# Altium PCB 3-as-manufactured.PcbDoc (part 7 of 16) (continued)
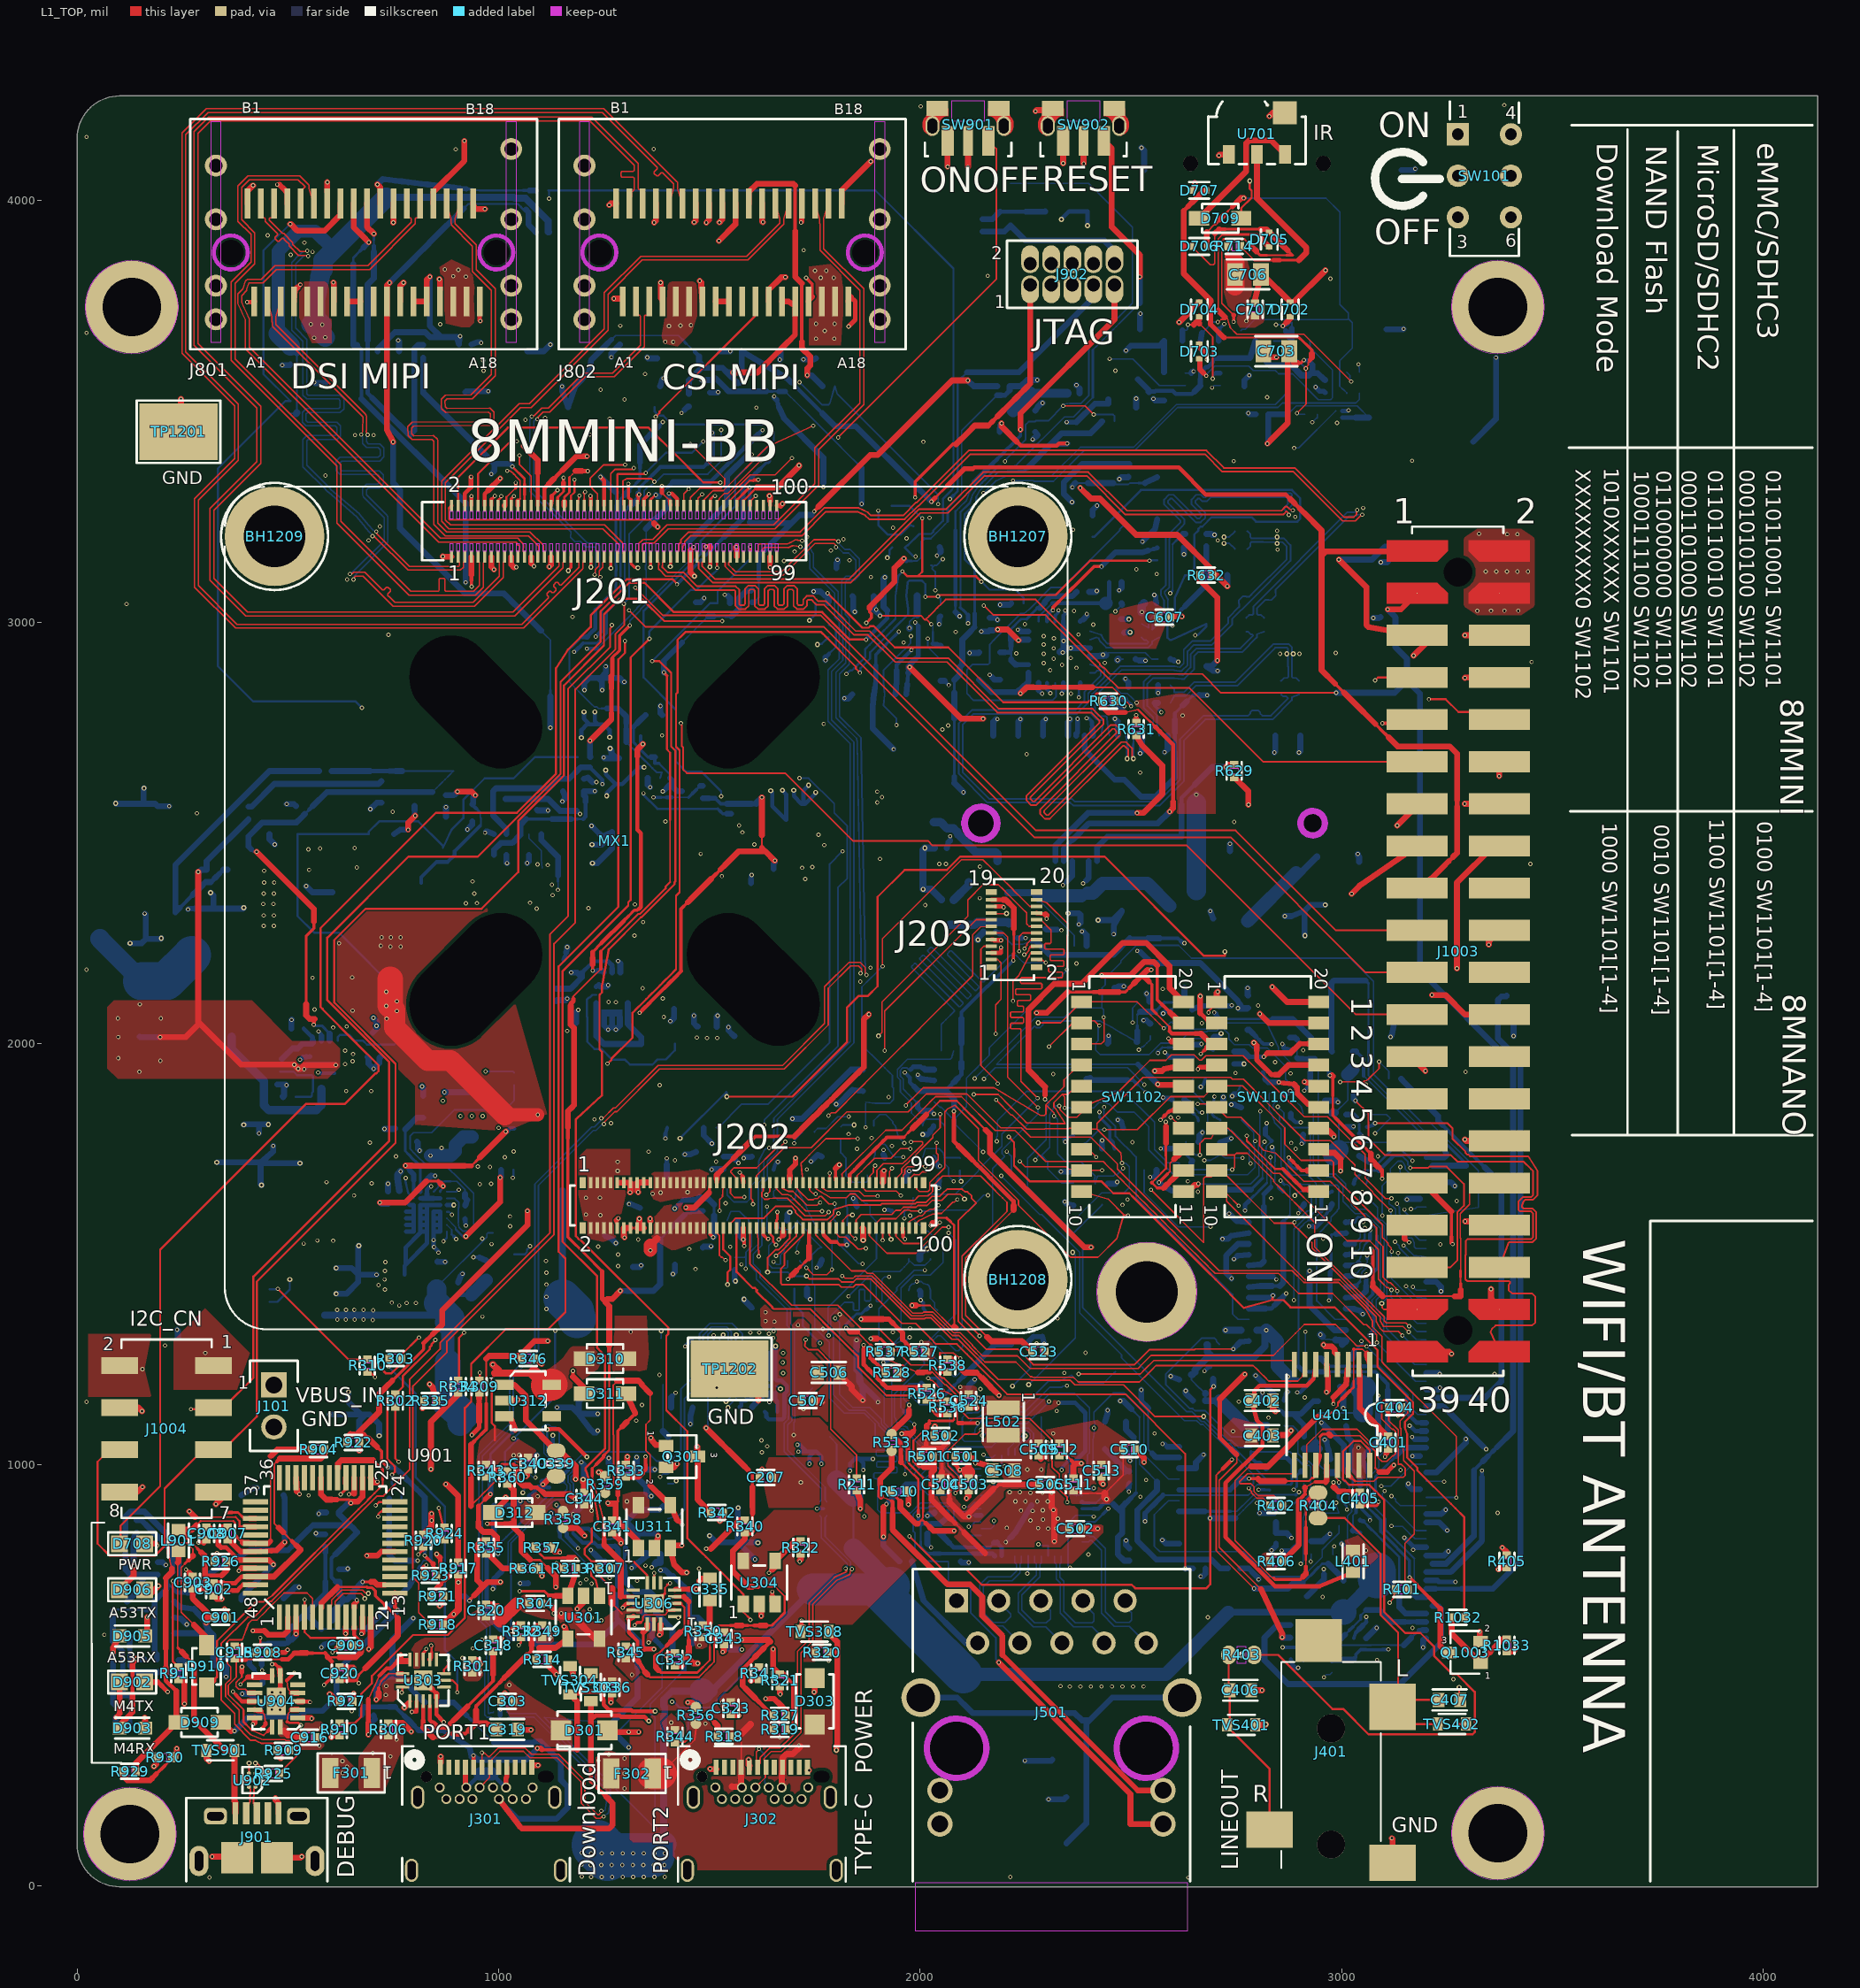
[diagram p0: L1_TOP view]
## Nets (pads, with @x,y where several pads share a name; then routed paths per layer and width w, separated by ;. In a path a pad name is that pad's centre, name@x,y a point inside that pad or via, vN(x,y) a via of type N, cw(c..) or ccw(c..) an arc to the next point about the centre after c; other vN are vias at no path point) (continued)
  L8_BOT w14.05: v1(2743,1275) 2759.08,1291.08 2759.08,1292.03 U201.1@2779.79,1294.08
IR_CAP: D709.A J202.42 | length 4930.6
  L1_TOP w5: J202.42@1532.76,1561.94 1532.76,1511.24 1549.5,1494.5 1549.5,1463.58 1543,1457.08 v2(1543,1428) ; v2(1541,1874) 1697,1874 1826,2003 1826,2085 1854,2113 1876,2113 1898.9,2135.9 1898.9,2347.9 1963.12,2412.12 2063.38,2412.12 2094.91,2443.64 2437.62,2443.64 2673.26,2208 2723,2208 v2(2723,2218) ; D709.A@2761.86,3958.26 2761.86,3982.88 2786.55,4007.57 2786.55,4024.09 2782.05,4028.59 v2(2782.05,4047)
  L3_INT w5: v2(1430,1775) 1430,1578.57 1465,1543.57 1465,1506 v2(1543,1428)
  L6_INT w5: v2(2723,2218) 2723,2347.01 2720.02,2349.99 2720.02,2550.02 2841,2671 3140,2671 3242,2773 3242,2915 3005,3152 3005,3437.65 2952.59,3490.06 2952.59,3562.16 2926.42,3588.33 2926.42,3930.58 2810,4047 v2(2782.05,4047)
  L8_BOT w5: v2(1430,1775) 1539.57,1884.57 1541,1883.14 v2(1541,1874)
JTAG_NTRST: J201.60 R923.2 R1108.1 SW1101.3 | length 4903.9
  L1_TOP w3.83: 2560.27,2071.05 2591.73,2039.59
  L1_TOP w5.87: 2486.72,2122.16 2496.85,2132.29 ; v1(2665.92,1975.46) 2673.75,1983.29
  L1_TOP w6.9: 2549.77,2125.5 2549.77,2081.55 2560.27,2071.05 ; 2591.73,2029.12 2591.73,2039.59
  L1_TOP w7.92: 822.58,756.63 v1(827.93,761.98) ; 1344.51,3292.01 1350.33,3297.83 v1@1356.15,3303.65 ; 2349.83,2122.16 2410.67,2122.16 ; 2471.51,2122.16 2486.72,2122.16 ; 2542.26,2147.66 2549.77,2140.15 2549.77,2125.5
  L1_TOP w8.94: J201.60@1344.5,3276.42 1344.51,3292.01 ; 2410.67,2122.16 2425.88,2122.16 ; 2591.74,2029.11 2597.16,2023.69 2610.85,2023.69 ; 2673.75,1983.29 SW1101.3@2681.58,1991.12
  L1_TOP w9.96: v1@1356.15,3303.65 v1(1356.15,3303.88) ; 2496.85,2132.29 2506.98,2142.42 ; 2610.85,2023.69 2651.93,2023.69
  L1_TOP w10.99: 2539.07,2174.51 v1(2548.07,2174.51) ; 2651.93,2023.69 2665.63,2023.69
  L1_TOP w14.05: R923.2@822.58,737.56 822.58,756.63 ; v1(2276.32,2072.84) 2276.39,2072.76 2300.43,2072.76 2349.83,2122.16 ; 2425.88,2122.16 2471.51,2122.16 ; 2506.98,2142.42 2517.11,2152.55 2527.24,2162.68 ; 2539.07,2174.51 2527.24,2162.68 ; 2542.26,2147.66 2527.24,2162.68 ; 2665.63,2023.69 2687.26,2002.05 SW1101.3@2703.63,1998.79 2692.56,1991.12 SW1101.3@2681.58,1991.12
  L3_INT w5: v1(1356.15,3303.88) 1356.15,3264.14 1367.16,3253.13 1378.18,3242.12 1400.21,3220.09 1411.22,3209.07 1422.24,3198.06 1444.26,3176.03 1455.28,3165.02 1466.29,3154 1488.5,3131.79 1488.5,3125.82 1495.82,3118.5 1501.79,3118.5 1532.38,3087.92 1543.39,3076.9 1554.41,3065.89 1576.43,3043.86 1587.45,3032.85 1598.46,3021.83 1609.48,3010.82 1620.49,2999.8 1631.51,2988.79 1764.51,2988.79 1852.21,2901.08 2005.7,2747.6 2016.66,2736.64 2027.62,2725.68 2115.33,2637.97 2148.21,2605.08 2202.54,2605.08 2213.68,2593.94 2291.7,2515.92 2302.85,2504.77 2336.29,2471.33 2347.43,2460.19 2425.45,2382.17 2436.6,2371.02 2470.03,2337.58 2481.18,2326.44 2548.06,2259.56 v1(2548.07,2174.51)
  L3_INT w7.92: v1(2665.92,1975.46) 2676.61,1964.77 2687.3,1954.08 2697.99,1943.39 2697.99,1929.26
  L3_INT w14.05: v1(2698,1874) 2697.99,1929.26
  L6_INT w5: v1(827.93,761.98) 890.62,761.98 1003.98,875.34 1003.98,1066.92 1378.59,1441.54 1525.27,1441.54 1590.24,1506.5 1625.68,1506.5 1652.82,1533.64 1652.82,1544.37 1702.79,1594.34 1702.79,1632.12 1700.27,1634.64 1700.27,1672.42 1707.12,1684.96 1713.98,1697.5 1727.69,1722.58 1734.54,1735.12 1734.54,1869.22 1977.82,2112.5 2236.65,2112.5 v1(2276.32,2072.84)
  L8_BOT w3.83: 2697.68,1826.41 R1108.1@2703.18,1823.34
  L8_BOT w5.87: 2694.49,1829.6 2692.92,1831.17 2692.92,1860.72 2697.21,1865.01 2697.21,1873.21 v1(2698,1874) ; R1108.1@2703.18,1823.34 R1108.1@2711.86,1818.5
  L8_BOT w6.9: 2694.49,1829.6 2697.68,1826.41
JTAG_TCK: J201.62 J902.4 | length 1269.1
  L1_TOP w5.87: J201.62@1360.24,3289.07 1360.24,3291.09 1363.21,3294.06 1363.94,3294.06 1371.88,3302 v1(1373,3302)
  L1_TOP w7.92: J201.62@1360.24,3276.42 J201.62@1360.24,3289.07
  L3_INT w5: v1(1625.84,3455.45) 1670.1,3499.72 1680.75,3510.36 1691.4,3521.01 1702.05,3531.66 1821.66,3531.66 2194.67,3904.67 2306.96,3904.67 2310.96,3900.67 J902.4@2310.96,3861.16
  L8_BOT w3.83: 1391.16,3310.16 1402.12,3321.12
  L8_BOT w5.87: v1(1373,3302) 1383,3302 1391.16,3310.16
  L8_BOT w9.96: 1402.12,3321.12 1413.08,3332.08 ; 1501.19,3332.08 1542.31,3373.2 1552.59,3383.49 1562.88,3393.77 1583.44,3414.33 ; 1614.28,3445.17 1624.56,3455.45 v1(1625.84,3455.45)
  L8_BOT w12.01: 1583.44,3414.33 1593.72,3424.61
  L8_BOT w14.05: v1(1373,3302) 1375.8,3299.2 1380.2,3299.2 ; 1413.08,3332.08 1501.19,3332.08 ; 1593.72,3424.61 1604,3434.89 1614.28,3445.17
JTAG_TDI: J201.54 J902.8 R918.2 | length 4464.4
  L1_TOP w4: R918.2@839.18,621.35 839.18,622.35 832.18,629.35 830.21,629.35 810,649.56 810,719.84 796.23,733.6 796.23,1187.23 877,1268 877,1293 1131,1547 1131,2237 1181.57,2287.57 1181.57,2840.68 1276.98,2936.1 1276.98,2972.46 1297.44,2992.91 1297.44,3042.71 v1(1296.44,3043.71) ; J201.54@1297.25,3276.42 1294.71,3278.98 1294.71,3335.88 1304.61,3340.83 1361.77,3340.83 v1(1369.26,3333.34)
  L6_INT w4: v1(1527.85,3456.27) 1606.39,3456.27 1614.17,3464.05 1621.95,3471.83 1710.01,3471.83 1754.51,3516.34 1765.64,3527.46 2066.03,3827.86 2077.16,3838.99 2143.92,3905.74 2386.83,3905.74 2410.96,3881.61 J902.8@2410.96,3861.16
  L8_BOT w4: v1(1296.44,3043.71) 1296.44,3043.79 1308.97,3056.32 1308.97,3193.33 1308.97,3208.55 1344.88,3244.47 1344.89,3311.91 1355.21,3322.23 1362.64,3326.34 1370.67,3330.79 v1@1372.23,3331.65 ; v1(1369.26,3333.34) 1370.95,3331.65 v1@1372.23,3331.65 ; v1(1527.85,3456.27) 1527.85,3441.65 1527.85,3383.19 1496.07,3351.42 1391.99,3351.42 v1@1372.23,3331.66
JTAG_TDO: J201.52 J902.6 | length 1636.8
  L1_TOP w5: J201.52@1281.5,3276.42 1281.5,3336.16 1281.5,3351.09 ; 1281.51,3351.11 1282.93,3351.99 1346.25,3351.99 v1(1348.66,3354.4)
  L3_INT w5: v1(1485,3429) 1498.55,3429 1500,3430.45 1577.83,3430.45 1598.72,3451.35 1609.17,3461.8 1619.62,3472.24 1640.51,3493.14 1650.96,3503.59 1661.41,3514.03 1671.86,3524.48 1692.75,3545.38 1813.38,3545.38 2331.58,4063.58 2335.72,4063.58 2360.96,4038.33 J902.6@2360.96,3861.16
  L8_BOT w5: v1(1348.66,3354.4) 1396.38,3402.12 1458.12,3402.12 v1(1485,3429)
JTAG_TMS: J201.58 J902.2 R917.2 | length 4027.7
  L1_TOP w7.92: J201.58@1328.75,3276.42 1330.76,3290.43 v1@1330.76,3300.4
  L1_TOP w10.99: v1@1330.76,3300.4 v1(1332.99,3302.63)
  L1_TOP w14.05: v1(874,954) 875.83,954 903.7,926.13 R917.2@903.71,768.92
  L6_INT w3.5: v1(1506.23,3449.44) 1507.07,3448.6 1520.32,3448.6 1524.22,3444.7 1709.5,3444.7 1731.65,3466.85 1742.6,3477.8 1753.56,3488.76 1764.51,3499.71 1775.46,3510.66 1786.42,3521.62 1797.37,3532.57 1808.32,3543.52 1819.27,3554.48 1841.18,3576.38 1852.13,3587.33 1863.09,3598.29 1884.99,3620.19 1895.95,3631.15 1906.9,3642.1 1917.85,3653.05 1928.81,3664.01 1939.76,3674.96 1950.71,3685.91 1961.66,3696.87 1972.62,3707.82 1983.57,3718.77 1994.52,3729.72 2005.48,3740.68 2016.43,3751.63 2027.38,3762.58 2038.34,3773.54 2049.29,3784.49 2060.24,3795.44 2071.2,3806.4 2093.1,3828.3 2104.05,3839.26 2115.01,3850.21 2125.96,3861.16
  L6_INT w5.87: 1042.25,1202.63 1042.25,1280.51 1042.25,1311.66 ; 1042.25,1342.81 1007,1378.06 1007,1619.06 1138.53,1750.58 1138.53,1765.88 ; 1138.53,2025.94 1138.53,2041.24
  L6_INT w6.9: 1042.25,1327.23 1042.25,1342.81 ; 1138.53,2010.65 1138.53,2025.94
  L6_INT w7.92: 1042.25,1311.66 1042.25,1327.23
  L6_INT w8.94: 875.18,1035.55 897.46,1057.82 908.6,1068.96 919.74,1080.1 930.88,1091.24 953.15,1113.52 964.29,1124.65 975.43,1135.79 986.57,1146.93 1008.84,1169.21 1019.98,1180.35 1031.12,1191.48 1042.26,1202.62 ; 1148.33,2234.62 1158.13,2244.42
  L6_INT w10.99: 1138.53,2224.81 1148.33,2234.62
  L6_INT w14.05: v1(874,954) 874,1034.36 875.18,1035.54 ; 1138.53,1765.88 1138.53,1918.86 1138.53,2010.65 ; 1138.53,2041.24 1138.53,2133.03 1138.53,2224.81 ; 1158.13,2244.43 1158.13,2553.08 1172.78,2567.73 1172.78,2924.03 v1(1178.47,2929.73) ; 2125.96,3861.16 J902.2@2260.96,3861.16
  L8_BOT w4.85: 1232.29,2949.91 1255.82,2973.44 ; 1277.33,3045.52 1298.84,3067.02 1298.84,3156.97 1298.84,3201.94 1298.84,3261.9 1309.79,3272.85
  L8_BOT w5.87: 1200.19,2949.91 1232.29,2949.91 ; 1255.82,2973.44 1255.82,2998.72 ; 1255.82,3011.36 1255.82,3024.01 1277.33,3045.52 ; 1333.46,3307.69 1333.46,3318.43
  L8_BOT w6.9: 1255.82,2998.72 1255.82,3011.36
  L8_BOT w7.92: v1(1178.47,2929.73) v1@1180,2929.73 ; v1@1330.15,3305.98 1331.06,3306.44 1333.44,3307.65 ; v1(1332.99,3302.63) 1333.44,3303.08 1333.44,3307.65 ; 1333.46,3307.69 1333.44,3307.65 ; 1333.46,3318.43 1343.42,3328.38 1353.37,3338.34 1363.32,3348.29
  L8_BOT w8.94: 1190.09,2939.82 1200.19,2949.91 ; 1363.32,3348.29 1383.23,3368.19 1485.5,3368.19 1495.8,3378.49
  L8_BOT w9.96: v1@1180,2929.73 1190.09,2939.82
  L8_BOT w12.01: 1320.74,3283.8 1331.69,3294.75 1331.58,3295.17 1330.63,3302.32 v1@1330.15,3305.98
  L8_BOT w14.05: 1309.79,3272.85 1320.74,3283.8 ; 1495.8,3378.49 1506.1,3388.79 1506.1,3447.9 1506.23,3448.04 v1(1506.23,3449.44)
LD1_I2C_SCL: R305.2 U302.B1 | length 1429.5
  L6_INT w5: v1(807.23,772.54) 808.16,771.61 808.16,764.03 822.74,749.45 974.71,749.45 1035,809.74 1035,929.68 1053.97,948.65 1056.53,948.65 1075.5,967.62 1075.5,974.62 1193.38,1092.5 1374.54,1092.5 1510,1227.96 v1(1510,1307.67)
  L8_BOT w4: v1(1510,1307.67) 1510,1246.55 1569.01,1187.53 U302.B1@1577.64,1187.5
  L8_BOT w8.94: v1@807.07,772.71 v1(807.23,772.54)
  L8_BOT w9.96: 793.58,772.71 v1@807.07,772.71
  L8_BOT w14.05: R305.2@739.65,920.18 739.65,786.19 753.13,772.71 793.58,772.71
LD1_I2C_SDA: R308.2 U302.C1 | length 881.8
  L6_INT w4: v2(1057,934) 1057.98,933.02 1057.98,922.8 1062.22,918.56 1062.22,912.44 1072.66,902 1095,902 1183.45,990.45 1196,990.45 1204.79,999.24 1263.24,999.24 1294.59,1030.59 1351.59,1030.59 1505,1184 1505,1189.97 1513.03,1198 1519,1198 1532.5,1211.5 v2(1532.5,1308.5)
  L8_BOT w4: v2(1057,934) 1057,936.16 1060.76,939.93 1060.76,946.38 R308.2@1067.76,953.38 ; v2(1532.5,1308.5) 1524,1300 1524,1256.9 U302.C1@1577.64,1203.25
LD1_NINT: R340.2 R345.2 U302.D1 | length 1510.4
  L1_TOP w3.5: 1655.98,710.57 1667.12,699.42 1678.27,688.28
  L1_TOP w3.83: R345.2@1309.65,569.7 1317.11,557.39 ; 1474.28,495.81 1492.46,513.99 ; 1501.56,523.09 1510.65,532.18 1510.65,608.17 ; 1615.11,710.57 1655.98,710.57
  L1_TOP w4.85: 1317.11,557.39 1324.58,545.08 ; 1492.46,513.99 1501.56,523.09 ; 1510.65,608.17 1521.22,618.74 1549.37,618.74 ; 1591.6,618.74 1605.67,618.74
  L1_TOP w5.87: 1353.14,501.96 1359.3,495.81 1474.28,495.81 ; 1633.82,618.74 1647.9,618.74 1658.02,628.86 1678.27,649.1 1678.27,688.28
  L1_TOP w6.9: 1577.52,618.74 1591.6,618.74 ; 1591.07,988.43 1601.97,977.53 1601.97,946.75 ; 1601.97,854.39 1601.97,885.18
  L1_TOP w7.92: 1549.37,618.74 1563.44,618.74
  L1_TOP w9.96: 1332.05,532.76 1339.51,520.45 1346.98,508.14 ; 1601.97,845.03 1601.97,854.39 ; 1605.67,618.74 1619.75,618.74
  L1_TOP w10.99: 1601.48,710.57 1615.11,710.57
  L1_TOP w13.03: 1601.97,885.18 1601.97,900.57
  L1_TOP w14.05: R345.2@1301.83,569.7 R345.2@1309.65,569.7 ; 1324.58,545.08 1332.05,532.76 ; 1346.99,508.12 1353.14,501.96 ; v1(1491.7,1087.8) 1514.79,1064.71 1525.69,1053.82 1536.58,1042.92 1547.48,1032.02 1558.38,1021.12 1569.28,1010.23 1580.18,999.33 1591.07,988.43 ; 1563.44,618.74 1577.52,618.74 ; 1601.48,710.57 1592.53,710.57 1555.56,747.54 1555.56,796 1583.82,824.26 R340.2@1583.84,839.01 1595.94,839 1601.97,845.03 ; 1601.97,900.57 1601.97,946.75 ; 1619.75,618.74 1633.82,618.74
  L8_BOT w4: v1(1491.7,1087.8) 1491.7,1088.34 1496.51,1093.14 1496.51,1309.73 1507.27,1320.5 1537.47,1320.5 1544.5,1313.47 1544.5,1252.15 U302.D1@1577.64,1219
LD2_I2C_SCL: R311.2 U305.B1 | length 756.6
  L8_BOT w4: U305.B1@876.72,1632.34 895.53,1632.34 905.29,1622.57 905.29,1611.32 903.61,1609.64 903.61,1575.46 905.61,1563.26 913.95,1554.92 927.86,1554.92 940.17,1567.23 940.17,1644.47 896.93,1687.71 886.12,1698.52 875.31,1709.33 829.75,1709.33 799.67,1739.4 789.65,1749.43 789.65,1780.63 797.33,1788.3 840.43,1788.3 894.25,1842.13 1013.6,1842.13 1036.41,1864.94 R311.2@1036.41,1901.51
LD2_I2C_SDA: R312.2 U305.C1 | length 563.3
  L6_INT w5: v2(504,1440) 671,1440 847.59,1616.59 v2(893.29,1616.59)
  L8_BOT w5: R312.2@455.82,1386.86 474.86,1386.86 504,1416 v2(504,1440)
  L8_BOT w10: U305.C1@876.72,1616.59 v2(893.29,1616.59)
LD2_NINT: R341.2 R344.2 U305.D1 | length 1803.2
  L1_TOP w5: R344.2@1417.95,340.96 1421.64,342.07 1440.87,342.07 v1(1449.81,351) ; v1(1597.61,513.85) 1600.24,513.85 1606.29,519.9 R341.2@1617.01,519.9
  L3_INT w5: v1(888.75,1593.56) 888.75,1574.33 899.52,1563.57 910.28,1552.8 910.29,1479.9 1007.58,1382.61 1007.58,1233.62 1076.99,1164.21 1088.04,1153.16 1099.08,1142.12 1154.3,1086.9 1165.34,1075.86 1176.38,1064.82 1187.43,1053.77 1198.47,1042.73 1209.51,1031.69 1209.96,1031.24 1214.2,1031.24 1230.72,1014.72 1243.26,1014.72 1403.5,854.47 1403.5,837.7 1408.29,832.91 1408.29,805.88 1422.5,791.67 1422.5,740.21 1432.87,729.84 1432.87,693.93 1412.01,673.07 1412.01,630.37 1423.5,618.87 1423.5,603.35 1433.45,593.4 1433.45,565.59 1435.5,563.53 1435.5,514.65 1423.5,502.65 1423.5,450.34 v1(1410.97,437.8)
  L8_BOT w5: U305.D1@876.72,1600.84 877.03,1600.54 881.77,1600.54 v1(888.75,1593.56) ; v1(1410.97,437.8) 1415.38,437.8 1429.27,423.91 ; v1(1449.81,351) 1449.81,403.37 1429.27,423.91 ; v1(1597.61,513.85) 1589.66,513.85 1499.73,423.91 1429.27,423.91
LED_ACT: C514.1 R510.1 R519.1 R520.1 U501.23 | length 1313.3
  L1_TOP w3.5: 2004.44,870.42 2004.58,871.37 2004.58,872.88 2006.25,874.55 2006.25,883.45 2006.49,883.7 2006.53,884.96 2006.98,888.1
  L1_TOP w4.85: 1973.81,1002.3 2006.98,969.13 ; 2004.44,870.42 2013.46,861.41 ; 2006.98,888.1 2006.98,901.61
  L1_TOP w5.87: R510.1@1936.25,929.33 1943.7,921.86 ; 1970.81,1012.62 1973.81,1002.3 ; v1(1986,1096) 1986.62,1095.38 1986.62,1082.37 ; 1994.18,860.16 2004.44,870.42 ; 2006.98,901.61 2006.98,969.13
  L1_TOP w6.9: 1943.7,921.86 1952.72,912.82
  L1_TOP w7.92: 1982.39,1078.14 1986.62,1082.37
  L1_TOP w9.96: 1970.81,1012.62 1970.81,1066.56
  L1_TOP w10.99: R510.1@1928.79,936.78 R510.1@1936.25,929.33 ; 2013.46,861.41 2022.47,852.39
  L1_TOP w13.03: v1(1955.85,1073.86) 1966.98,1073.86
  L1_TOP w14.05: 1952.72,912.82 1952.72,897.37 1989.94,860.15 1994.17,860.15 ; 1966.98,1073.86 1978.11,1073.86 ; 1970.81,1066.56 1978.11,1073.86 ; 1982.39,1078.14 1978.11,1073.86 ; 2022.47,852.39 2031.48,843.38 v1(2080.6,843.38)
  L3_INT w5: v1(1762.27,1288.88) 1875.07,1176.08 1875.07,1154.63 v1(1955.85,1073.86)
  L8_BOT w3.5: 1959.3,1130.64 1953.95,1135.99 1953.95,1173.75 1972.75,1192.55 2002.83,1192.55 ; 1966.53,1115.46 1969.2,1104.85 1976.57,1103.57 v1(1986,1096)
  L8_BOT w3.83: 1959.3,1130.64 1963.86,1126.08
  L8_BOT w4.85: 2164.26,804.18 2174.92,814.83
  L8_BOT w5: R520.1@1701.79,1418.22 1701.79,1379.44 1721.67,1359.56 1721.67,1329.49 1747.15,1304 1754.71,1296.44 v1(1762.27,1288.88)
  L8_BOT w6.9: 1963.87,1126.06 1966.53,1115.46
  L8_BOT w7.92: 2069.48,843.38 v1(2080.6,843.38)
  L8_BOT w8.94: 2107.74,804.18 2164.26,804.18
  L8_BOT w9.96: 2182.38,815.53 2193.17,804.74 2193.17,794.43 U501.23@2193.18,784.12
  L8_BOT w10.99: 2068.48,815.17 2079.48,804.18 2107.74,804.18
  L8_BOT w14.05: 2002.83,1192.55 R519.1@2010.6,1184.79 ; C514.1@2046.49,837.17 2057.49,826.17 2068.48,815.17 ; C514.1@2046.49,837.17 2063.24,843.38 2069.48,843.38 ; 2174.92,814.83 2182.38,815.53
LED_LINK10_100: C516.1 J501.14 U501.26 | length 1299.7
  L1_TOP w14.05: v1(2186.52,531.36) 2498.99,218.88 2498.99,147.52 J501.14@2576.22,147.52
  L8_BOT w4: U501.26@2144.46,832.84 2108.87,832.83 2093.58,848.13 2086.88,861.48 2080.19,874.83 2080.19,895.93 2074.15,901.97 2022.49,901.97 2017.62,897.11 1997.83,897.11 1993.62,892.9 1983.72,883 1983.72,842.12 1987.9,837.94 1987.9,824.2 1987.9,796.73 2013.3,771.33 2039.73,771.33 2040.31,770.75 C516.1@2066.73,770.76 2066.73,713.28 2069.08,710.94 2116.25,710.94 2119.76,707.43 2119.76,649.26 2179.34,589.69 2179.34,538.54 v1(2186.52,531.36)
LED_LINK1000: C515.1 R513.1 R525.1 U501.24 | length 1002.5
  L1_TOP w4.85: 1954.18,1006.86 1985.11,975.93
  L1_TOP w5.87: 1941.08,1064.09 1947.63,1057.55 ; 1985.11,975.93 1995.42,965.62 1995.42,893.38
  L1_TOP w6.9: 1995.42,893.38 1995.42,879.07 v1(1995.5,879)
  L1_TOP w8.94: 1973.62,1130.22 v1(1973.62,1142.19)
  L1_TOP w9.96: R513.1@1932.2,1072.99 1941.08,1064.09 ; 1954.17,1021.59 1954.17,1051
  L1_TOP w10.99: 1947.63,1057.55 1954.17,1051
  L1_TOP w12.01: 1954.17,1006.88 1954.17,1021.59
  L1_TOP w14.05: R513.1@1932.2,1072.99 1932.19,1076.82 1973.62,1118.26 1973.62,1130.22
  L8_BOT w3.5: v1(1973.62,1142.19) 1973.62,1143.25 1960.45,1156.42 1960.45,1171.06 1971.34,1181.95 1990.76,1181.95 1991.13,1181.58
  L8_BOT w4.85: 2001.1,818.9 2001.1,860.35
  L8_BOT w5.87: 2001.1,805.09 2001.1,818.9
  L8_BOT w6.9: 1999.06,1167.74 2000.67,1169.35 2044.64,1169.35 2046.48,1167.52 2059.88,1167.52 ; 2081.05,1188.68 2091.63,1199.26
  L8_BOT w7.92: 2001.1,805.09 2009.08,797.11 2017.06,789.13 2032.25,789.13 ; 2047.44,789.13 2123.37,789.13
  L8_BOT w8.94: v1(1995.5,879) 1995.7,878.8 1995.7,865.75 2000.92,860.53 ; 2059.88,1167.52 2070.47,1178.1
  L8_BOT w9.96: 2014.16,860.53 2027.4,860.53 ; 2070.47,1178.1 2081.05,1188.68 ; 2123.37,789.13 2171.39,789.13 ; U501.24@2176.91,783.61 U501.24@2177.44,784.12
  L8_BOT w10.99: 2000.92,860.53 2014.16,860.53 ; 2032.25,789.13 2047.44,789.13 ; 2091.63,1199.26 2102.21,1209.84
  L8_BOT w12.01: 1991.13,1181.58 1999.06,1173.65 1999.06,1167.74 ; 2171.39,789.13 U501.24@2176.91,783.61
  L8_BOT w14.05: 2000.92,860.53 2001.1,860.35 ; 2027.4,860.53 2043.96,860.53 2048.79,860.55 2063.09,874.84 C515.1@2063.09,886.97 ; 2102.21,1209.84 2177.76,1285.39 R525.1@2216.03,1285.41
LINE_OUTL: C407.1 J401.2 R404.2 TVS402.2 | length 791.4
  L1_TOP w5: R404.2@2944.1,873.58 3007.42,873.58 3092.55,788.45 3092.55,643.36 3134,601.91 J401.2@3134,439.1 ; TVS402.2@3228.54,385 3161.44,385 J401.2@3120.67,425.77 J401.2@3134,439.1 ; C407.1@3230.41,442 3136.9,442 J401.2@3134,439.1
LINE_OUTR: C406.2 J401.3 R403.2 TVS401.2 | length 459.7
  L1_TOP w5: R403.2@2732,549 2732,467.41 C406.2@2734.41,465 2734.41,388.87 TVS401.2@2728.54,383 2728.54,379 2829.33,278.21 J401.3@2829.33,134.43
LINEVDD: C402.1 L401.1 U401.6 | length 938.1
  L1_TOP w10: C402.1@2785.8,1152.6 2799.01,1105.9 2811.98,1092.93 2811.98,1044.1 2724.49,956.61 2724.49,828.89 2841.57,711.8 2948.49,711.8 L401.1@3027.04,745.17 ; C402.1@2785.8,1152.6 2792.77,1159.56 2792.77,1175.43 2805.34,1188 2917.61,1188 2932.89,1203.28 U401.6@2938.86,1238.52
"LINK / ACTIVE": J501.13 R513.2 | length 1167.7
  L1_TOP w3.5: 1907.43,924.23 1918.75,919.78 1932.28,914.46
  L1_TOP w8.94: 1932.28,914.46 1934.36,912.37 1934.36,897.12
  L1_TOP w10.99: 1905.23,938.59 1905.23,952.08
  L1_TOP w12.01: 1934.36,881.86 1934.36,897.12 ; 2195.08,548.7 2516.33,227.44
  L1_TOP w13.03: 1905.23,926.44 1905.23,938.59 ; 1905.23,952.08 1905.23,965.57 ; 2117.8,716.37 2127.58,706.59
  L1_TOP w14.05: 1905.23,926.44 1907.43,924.23 ; 1905.23,965.57 1932.2,992.54 R513.2@1932.2,1032.99 ; 1934.36,881.86 1934.36,846.37 2064.37,716.37 2117.8,716.37 ; 2127.58,706.59 2147.13,687.04 2147.13,641.84 2195.08,593.89 2195.08,548.7 ; 2516.34,227.44 J501.13@2576.22,227.44
LINKACT: J501.11 R510.2 | length 781.7
  L1_TOP w14.05: R510.2@1968.79,936.78 1972.06,933.53 v1(1972.06,906.17)
  L3_INT w14.05: v1(1972.06,906.17) 1972.06,857.98 1992.1,837.93 1992.1,519.87 1943.67,471.43 1943.67,330.46 J501.11@2046.69,227.44
M2_I2C_SCL: J601.60 R631.1 | length 503.4
  L1_TOP w14.05: R631.1@2512.8,2731.59 2526.73,2707.19 2574.31,2659.62 2574.31,2592.38 2529.14,2547.22 v1(2514.81,2547.22)
  L8_BOT w8.94: 2505.66,2547.22 v1(2514.81,2547.22)
  L8_BOT w14.05: J601.60@2321.09,2433.28 2321.08,2470.34 2397.96,2547.22 2505.66,2547.22
M2_I2C_SDA: J601.58 R630.1 | length 701.1
  L1_TOP w3.83: 2486.04,2785.58 2501.38,2789.08 2516.71,2792.59
  L1_TOP w4.85: 2516.71,2792.59 2527.11,2782.19
  L1_TOP w5.87: 2527.11,2782.19 2558.31,2750.98
  L1_TOP w9.96: 2568.71,2740.58 2599.92,2709.38 2599.92,2679.18 2599.92,2573.46
  L1_TOP w10.99: 2448.21,2785.58 2473.43,2785.58 ; 2558.31,2750.98 2568.71,2740.58
  L1_TOP w12.01: 2473.43,2785.58 2486.04,2785.58
  L1_TOP w14.05: R630.1@2431.67,2812.76 2431.67,2800.64 2446.73,2785.58 2448.21,2785.58 ; v1(2591.87,2550.3) 2599.92,2558.35 2599.92,2573.46
  L8_BOT w8.94: J601.58@2340.77,2462.68 2351.4,2473.31
  L8_BOT w10.99: 2351.4,2473.31 2362.03,2483.94
  L8_BOT w14.05: J601.58@2340.77,2433.29 J601.58@2340.77,2462.68 ; 2362.03,2483.94 2400.52,2522.43 2564,2522.43 v1(2591.87,2550.3)
M2_PCM_CLK: J601.8
M2_PCM_IN: J601.12
M2_PCM_OUT: J601.14
M2_PCM_SYNC: J601.10
M2_SD_CLK: J601.9
M2_SD_CMD: J601.11
M2_SD_DAT0: J601.13
M2_SD_DAT1: J601.15
M2_SD_DAT2: J601.17
M2_SD_DAT3: J601.19
M2_SD_NRST: J601.23
M2_SD_WAKE: J601.21
M2_UART_CTS: J601.36
M2_UART_RTS: J601.34
M2_UART_RXD: J601.22
M2_UART_TXD: J601.32
M2_USB_DN: J601.5
M2_USB_DP: J601.3
MDC: R511.2 R537.2 U501.1 | length 845.9
  L1_TOP w3.5: 1904.04,1258.17 1953.09,1237.04 1954.48,1236.76 1959.17,1236.76 1962.79,1233.14 1963.88,1232.4 1994.29,1219.3 ; 2022.73,1220.25 2028.63,1220.25 2058.94,1189.94 2061.46,1189.94 2087.93,1163.47 2087.93,1101.32 2090.1,1099.15
  L1_TOP w7.92: 2101.42,1099.13 2136.04,1099.13 v1(2136.12,1099.05)
  L1_TOP w9.96: R537.2@1900.85,1268.81 1904.04,1258.17 ; 2090.11,1099.13 2101.42,1099.13
  L1_TOP w10.99: 2008.16,1219.3 2009.12,1220.25 2022.73,1220.25
  L1_TOP w14.05: 1994.29,1219.3 2008.16,1219.3
  L8_BOT w3.5: R511.2@2114.69,1071.44 2122.87,1073.89 2129.94,1076.01 2130.02,1076.09 2130.02,1083.69 2133.41,1089.58 2134.87,1091.04 2134.87,1097.81 v1(2136.12,1099.05) ; 2134.99,1090.9 2138.37,1093.74 2140.06,1097 2140.09,1097.06 2141.99,1100.71 2146.02,1105.92 2151.22,1111.12 2248.54,1111.12 2306.97,1169.55 2367.28,1169.55 2401.49,1135.34 2401.49,1028.37 2396.89,1023.77 2396.89,992.4 2395.79,991.3 U501.1@2391.23,991.3
MDIO: R512.2 R538.2 U501.48 | length 600.7
  L1_TOP w10.99: R538.2@2074.88,1250.37 2095.97,1229.28 ; 2133.99,1218.74 2144.77,1207.95
  L1_TOP w13.03: 2176.6,1175.12 v1(2187.1,1164.62)
  L1_TOP w14.05: R538.2@2064.91,1250.37 R538.2@2074.88,1250.37 ; 2095.97,1229.28 2106.51,1218.74 2133.99,1218.74 ; 2144.77,1207.95 2166.33,1186.4 2166.33,1185.4 2176.6,1175.12
  L6_INT w4.2: v1(2146.66,1069.58) 2146.66,1053.14 2154.56,1045.24 2160.61,1045.24 2171.23,1034.62 2181.86,1024 ; v1(2187.1,1164.62) 2188.11,1163.61 2188.11,1030.25 2181.86,1024 ; v1(2335.66,987.84) 2335.08,987.84 2328.02,994.89 2305.48,994.89 2288.55,1011.82 2194.03,1011.82 2187.94,1017.91 2181.86,1024
  L8_BOT w3.5: v1(2146.66,1069.58) 2147.9,1070.82 2151.89,1070.82 2162.41,1081.34 R512.2@2166.38,1081.34
  L8_BOT w7.92: v1(2335.66,987.84) 2336.05,988.24 2336.05,993.7 2350.63,1008.27 U501.48@2350.66,1023.3
NetC102_1: C102.1 R102.2 | length 340.3
  L8_BOT w14.05: C102.1@406.05,2561.89 413.15,2561.89 467.4,2616.14 714.82,2616.14 R102.2@721.23,2622.52
NetC113_1: C113.1 C161.1 D101.C R101.2 R138.1 R140.2 U101.12 | length 1632.9
  L8_BOT w5: U101.12@618.18,2006.56 618.18,2015.56 623.18,2020.56 644.66,2020.56 658.72,2006.5 677.99,2006.5 C113.1@687.06,1997.44 ; C113.1@688.06,1997.44 C113.1@687.06,1997.44 ; R101.2@867.35,2464.12 867.34,2469.13 809.19,2527.28 716.19,2527.28 691.24,2502.33 R138.1@691.23,2497.33 522.62,2497.33 522.44,2497.15 522.44,2302.5 561.78,2263.15 620.32,2263.15 769.5,2113.97 769.5,2015.31 751.23,1997.03 C161.1@719.34,1997.03 687.46,1997.03 C113.1@687.06,1997.44 ; R101.2@867.35,2464.12 869.28,2468.22 887.38,2506.69 915.88,2535.19 915.88,2578.35 966.68,2629.15 1035.36,2629.15 1086.17,2679.96 R140.2@1187.54,2679.94
NetC117_1: C117.1 R113.2 R114.2 R115.1 U102.5 | length 1404.2
  L6_INT w4.85: 1174.34,2217.55 1174.34,2233.09 ; 1174.34,2341.86 1174.34,2372.94 ; 1174.34,2543.88 1185.28,2554.82 1195.31,2564.84
  L6_INT w5.87: 1174.34,2233.09 1174.34,2248.63
  L6_INT w6.9: 1174.34,2248.63 1174.34,2341.86 ; 1174.34,2372.94 1174.34,2450.64 1174.34,2543.88
  L6_INT w9.96: 1329.35,2593.86 v1(1343.21,2593.86)
  L6_INT w13.03: v1(1171.97,2168.31) 1171.97,2168.56 1174.34,2170.93 1174.34,2217.55 ; 1232.27,2593.86 1239.48,2586.65 1239.48,2581.16 1249.16,2571.48 1306.97,2571.48 1329.35,2593.86
  L6_INT w14.05: 1195.31,2564.84 1205.34,2574.87 1225.39,2594.93 1231.19,2594.93 ; v1(1227.74,2598.69) 1227.74,2598.39 1231.19,2594.93 ; 1232.27,2593.86 1231.2,2594.93
  L8_BOT w5.87: 1186.76,2532.76 1200.15,2532.76 ; v1(1343.21,2593.86) 1343.21,2590.41 1376.59,2557.03 1519.8,2557.03
  L8_BOT w6.9: 1064.87,2532.76 1110.58,2532.76
  L8_BOT w7.92: 1110.58,2532.76 1125.81,2532.76 ; 1171.52,2532.76 1186.76,2532.76 ; 1519.8,2557.03 1525.66,2551.16 1531.53,2545.3 R113.2@1541.1,2545.3
  L8_BOT w8.94: 1206.04,2538.65 1206.04,2549.46 ; 1206.3,2176.75 1224.94,2195.39 1259.1,2195.39
  L8_BOT w9.96: 1196.99,2167.44 1206.3,2176.75 ; 1200.15,2532.76 1206.04,2538.65 ; 1206.04,2549.46 1206.04,2573.5
  L8_BOT w10.99: 1259.1,2195.39 U102.5@1268.66,2185.83
  L8_BOT w12.01: U102.5@1268.66,2177.17 U102.5@1268.66,2185.83
  L8_BOT w13.03: 1156.29,2532.76 1171.52,2532.76 ; 1206.04,2573.5 1206.04,2584.89
  L8_BOT w14.05: R115.1@988.48,2447.52 988.48,2459.68 1004.67,2475.87 1031.75,2475.87 1050.95,2495.08 1050.95,2518.85 1064.87,2532.76 ; 1125.81,2532.76 1156.29,2532.76 ; C117.1@1135.95,2130.25 1170.47,2130.26 1196.99,2156.77 ; v1(1171.97,2168.31) 1172.1,2168.43 1185.33,2168.43 1196.99,2156.77 ; 1196.99,2167.44 1196.99,2156.77 ; 1206.04,2584.89 1202.28,2588.65 1202.28,2598.77 1202.57,2598.69 v1(1227.74,2598.69) ; U102.5@1268.65,2168.5 U102.5@1268.66,2177.17 ; R113.2@1541.1,2545.3 R113.2@1550.66,2545.29
NetC118_2: C118.2 R110.2 R111.1 U102.3 | length 845.6
  L6_INT w6.9: 1389.04,2543.58 v1(1389.04,2598.61)
  L6_INT w14.05: v1(1259.24,2138.24) 1259.24,2143.76 1255.18,2147.82 1255.18,2409.72 1389.04,2543.58
  L8_BOT w4.85: 1379.38,2665.14 1388.46,2656.06 1396.94,2647.58 1405.42,2639.1 1405.42,2630.49
  L8_BOT w6.9: 1319.96,2751.34 1319.96,2713.88 1328.44,2705.4 1336.92,2696.92 1345.4,2688.44 1353.88,2679.96 C118.2@1361.02,2679.96
  L8_BOT w7.92: C118.2@1370.01,2679.94 1370.02,2665.14 1379.38,2665.14
  L8_BOT w10.99: v1(1389.04,2598.61) v1@1390.5,2598.61
  L8_BOT w12.01: U102.3@1231.25,2135.05 U102.3@1237.54,2138.79 ; 1319.96,2751.34 1329.36,2760.74 ; v1@1390.5,2598.61 1398.3,2606.41 ; 1405.42,2630.49 1413.9,2622.01 ; 1406.1,2614.21 1413.9,2622.01 ; 1413.9,2610.4 1413.9,2622.01
  L8_BOT w14.05: U102.3@1237.54,2138.79 1240.93,2135.41 1256.41,2135.41 v1(1259.24,2138.24) ; 1329.36,2760.74 1338.76,2770.15 R111.1@1348.16,2779.55 ; C118.2@1361.02,2679.96 C118.2@1370.01,2679.94 ; 1398.3,2606.41 1406.1,2614.21 ; 1413.9,2610.4 1413.9,2607.26 1422.39,2598.78 R110.2@1434.54,2598.78
NetC122_1: C122.1 U102.4 | length 648.6
  L1_TOP w6.9: 1222.49,2217.14 1243.77,2238.42 ; 1307.6,2302.25 1321.66,2316.31 1329.16,2316.31 1332.63,2319.78
  L1_TOP w7.92: v1(1222.49,2172.82) 1222.49,2187.6 ; 1296.96,2291.61 1307.6,2302.25
  L1_TOP w9.96: 1243.77,2238.42 1296.96,2291.61 ; 1328.88,2682.12 1328.88,2507.18 1336.99,2499.08 1336.99,2324.14 1332.63,2319.78
  L1_TOP w10.99: 1222.49,2202.37 1222.49,2217.14
  L1_TOP w14.05: 1222.49,2187.6 1222.49,2202.37 ; 1328.88,2682.12 1328.88,2697.71 v1(1341.9,2710.72)
  L8_BOT w8.94: v1(1222.49,2172.82) 1234.53,2172.83 ; C122.1@1336.84,2729.75 1336.83,2715.79 v1(1341.9,2710.72)
  L8_BOT w14.05: 1234.53,2172.83 1246.57,2172.83 U102.4@1248.96,2168.5